# Altium PCB Rear Power Distibution.PcbDoc (part 1 of 3) (continued)
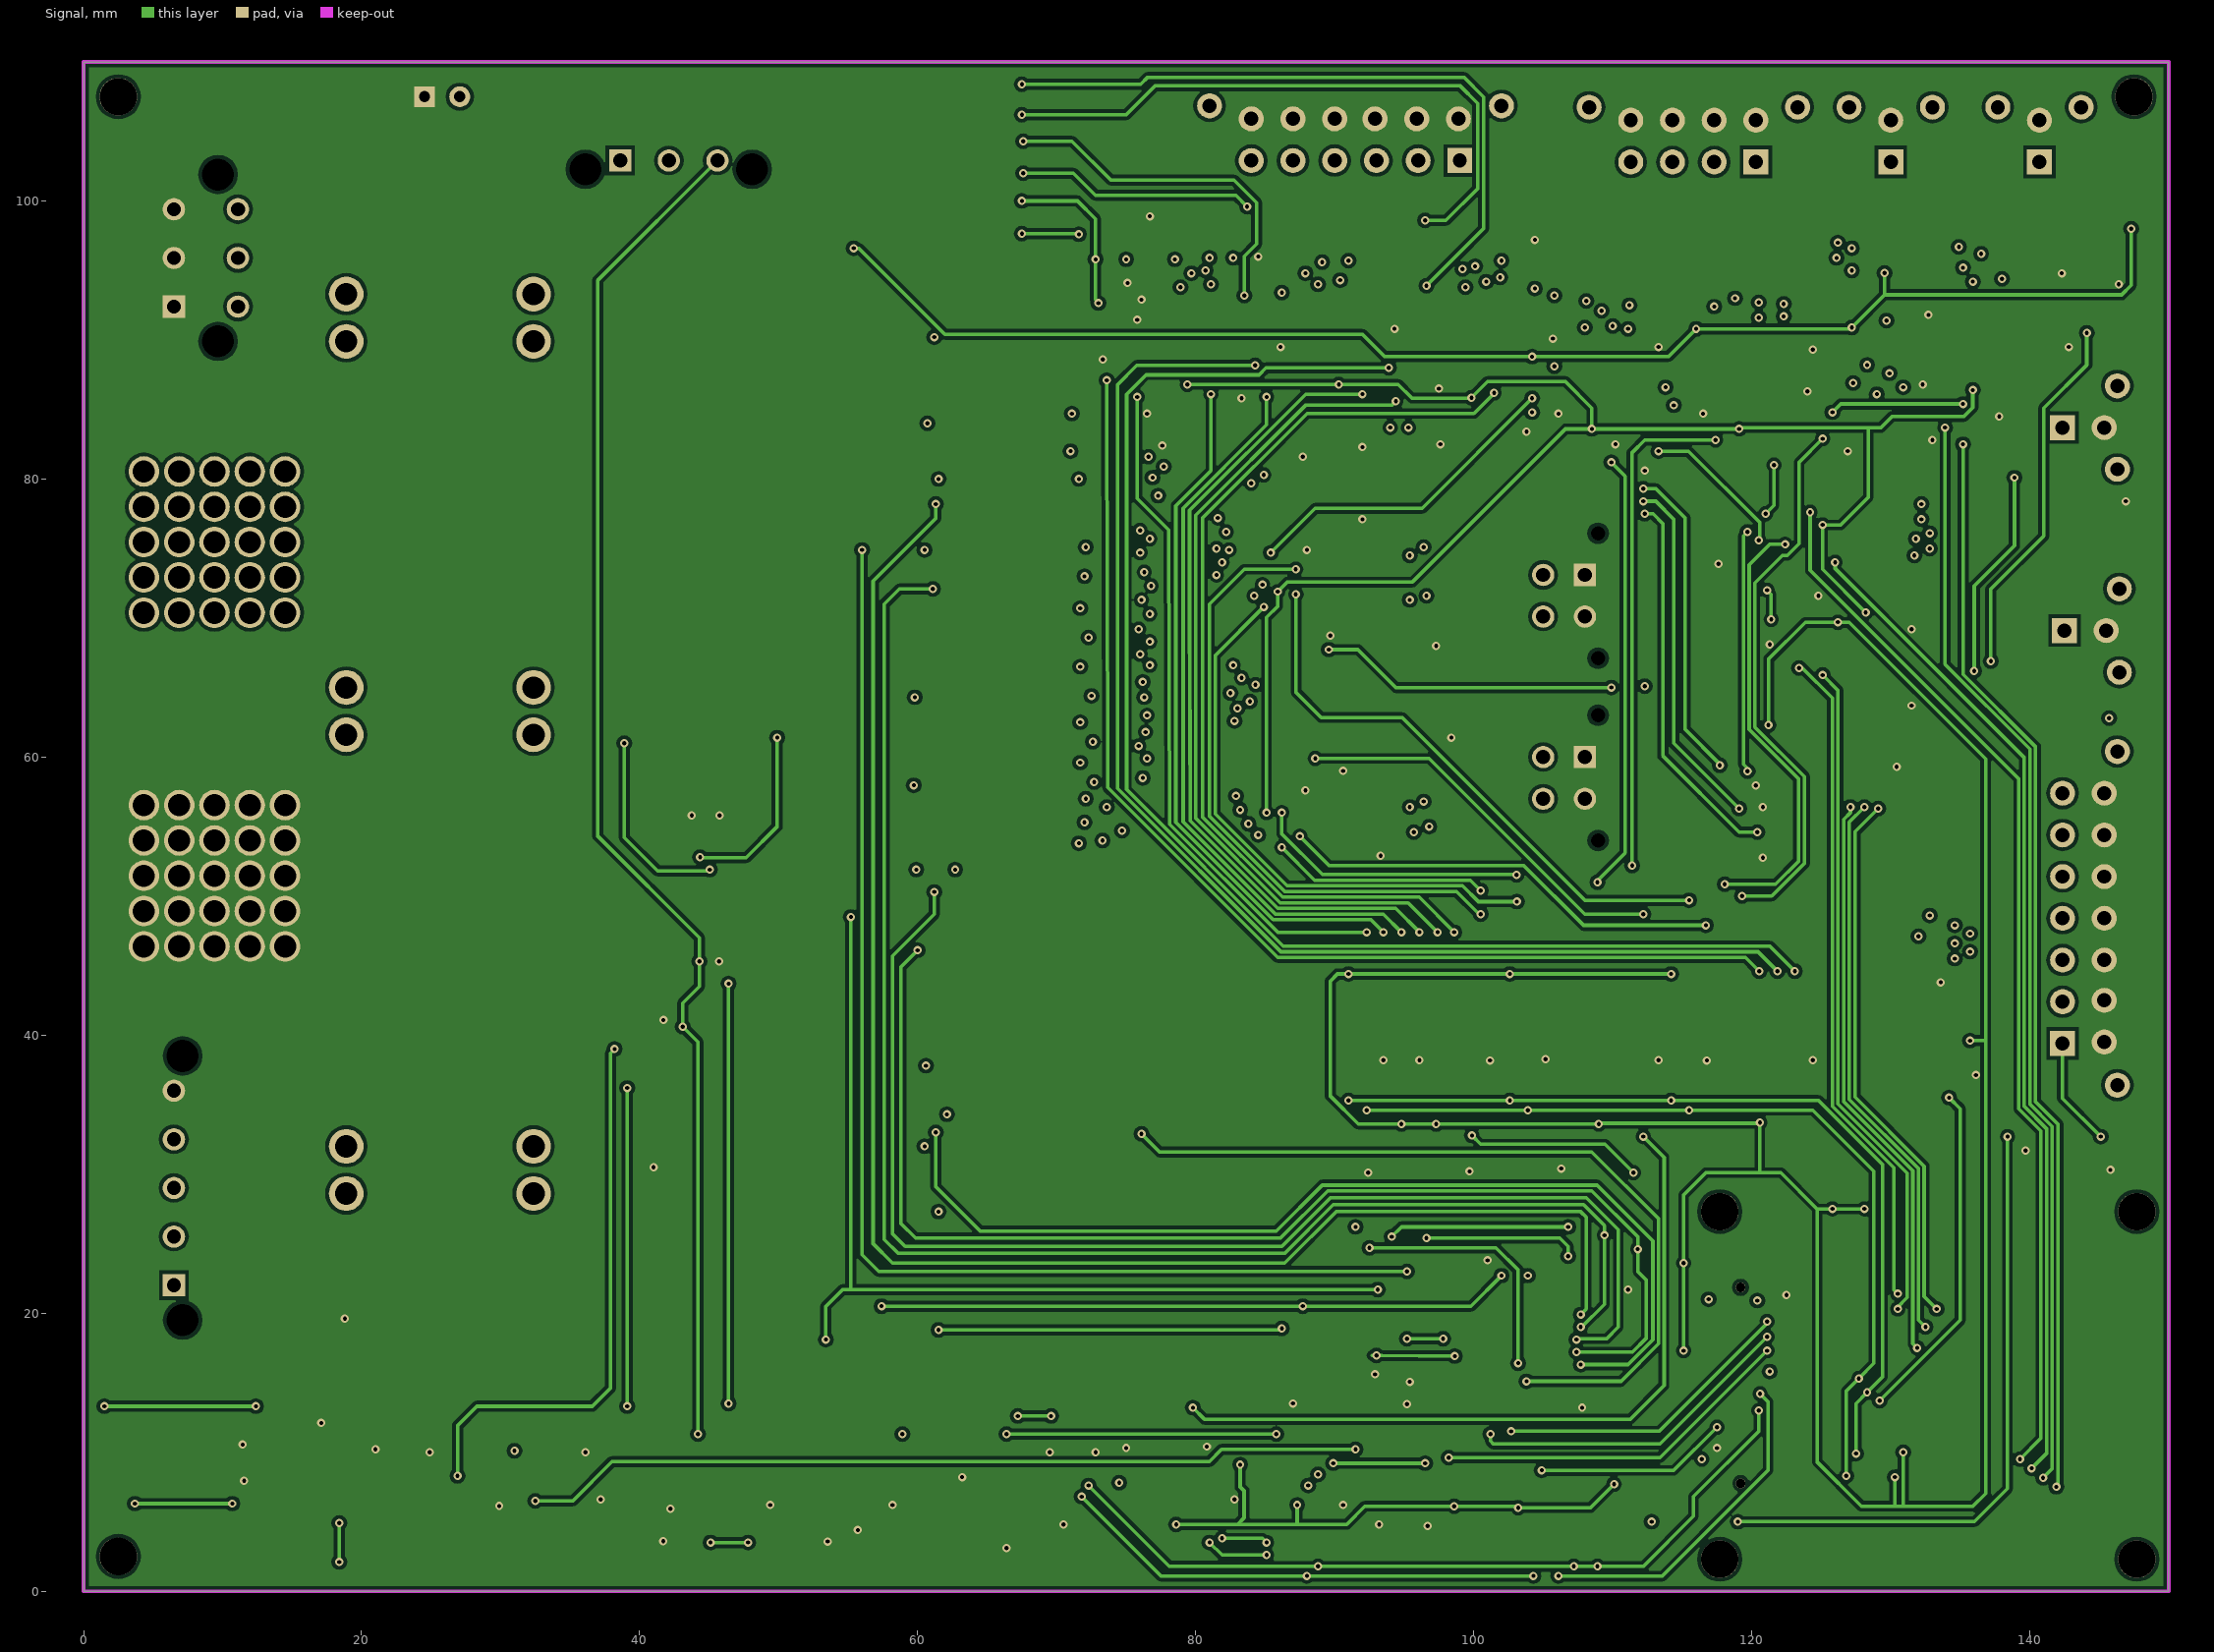
[diagram p3: Signal]
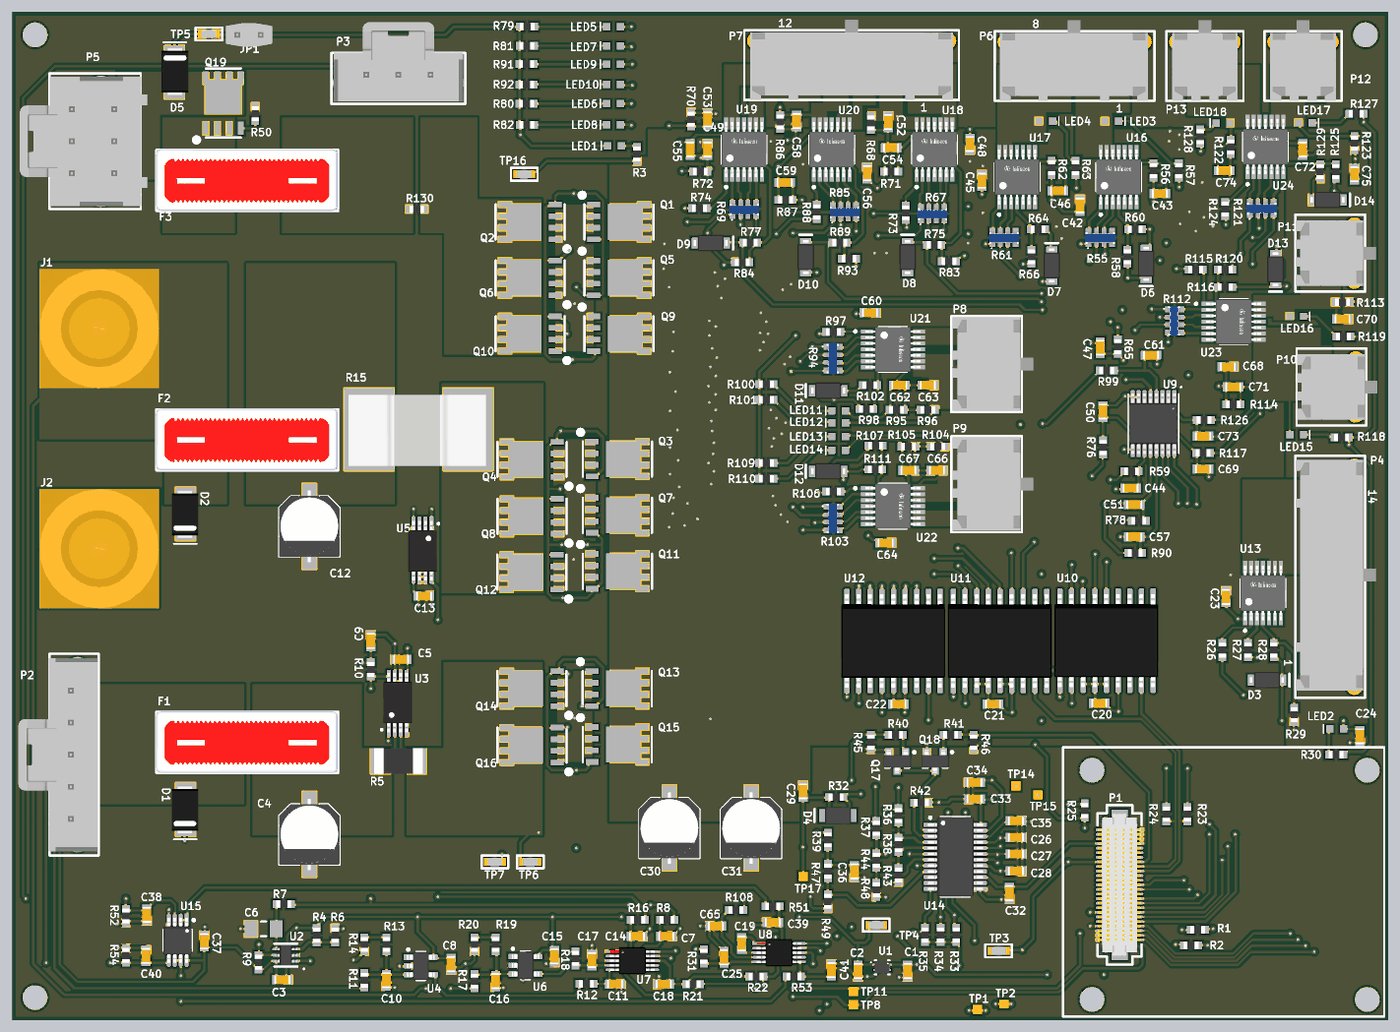
[diagram p6: 3D render of the assembled board from above, using the file's embedded part models]

## Layer stack, top to bottom
Top Solder: solder mask 0.0102, Solder Resist, Dk 3.5
Component Side: signal copper 0.0356
Dielectric 1: core 0.32, FR-4, Dk 4.8
Ground: plane copper 0.035
Dielectric 5: prepreg 0.127, PP-006, Dk 4.2
Signal: signal copper 0.0356
Dielectric 4: core 0.254, Core-009, Dk 4.2
Solder Side: signal copper 0.0356
Bottom Solder: solder mask 0.0102, Solder Resist, Dk 3.5

## Board outline
0,0 150,0 150,110 0,110

## Design rules (kind name [scope] priority, off if disabled: settings)
Clearance [All] p1: gap=0.254 ignorepadtopadclearanceinfootprint=FALSE except(0: Arc-Text Arc-Hole Track-Text Track-Hole SMDPad-Text SMDPad-Hole THPad-Text THPad-Hole Via-Text Via-Hole Fill-Text Fill-Hole Poly-Text Poly-Hole Region-Text Region-Hole Text-Text Text-Hole; 0.152: Arc-Arc Arc-Track Arc-SMDPad Track-Track Track-SMDPad SMDPad-SMDPad)
HoleSize [All] p1: absolutevalues=TRUE maxlimit=3 minlimit=0.025 maxpercent=80.000 minpercent=20.000
MinimumSolderMaskSliver [All] p1: minsoldermaskwidth=0
PlaneClearance [All] p1: clearance=0.508
PlaneConnect "Schematic Power Plane Connect Style" [InNetClass('HighCurrent')] p1: planeconnectstyle=Direct reliefexpansion=0.508 reliefentries=4 reliefconductorwidth=0.254 reliefairgap=0.254
PlaneConnect [All] p2: planeconnectstyle=Relief reliefexpansion=0.508 reliefentries=4 reliefconductorwidth=0.254 reliefairgap=0.254
PolygonConnect "Schematic Polygon Connect Style" [InNetClass('HighCurrent')] p1: connectstyle=Direct reliefconductorwidth=0.254 reliefentries=4 polygonreliefangle="45 Angle" airgapwidth=0.254
PolygonConnect [All] p2: connectstyle=Relief reliefconductorwidth=0.254 reliefentries=4 polygonreliefangle="90 Angle" airgapwidth=0.254
RoutingVias [All] p1: holewidth=0.3 width=0.6 viastyle="Through Hole" minholewidth=0.3 minwidth=0.6 maxholewidth=0.3 maxwidth=0.6
SolderMaskExpansion [All] p1: expansion=0.102
Width [All] p1: maxlimit=0.254 minlimit=0.254 preferedwidth=0.254
26 further rules are at their usual default settings.

## Classes and differential pairs
net class HighCurrent: AUX_BAT_IN AUX_FUSED DCDC_FUSED DCDC_UNFUSED GND NetC4_1 NetC12_1 NetD5_1 NetF3_2 VBAT VS_1 VS_2 VS_3
component class "Power Distribution - Temperature Sense": C37 C38 C39 C40 C41 R51 R52 R53 R54 U15
component class "Power Distribution - Spare Load Switch": C68 C69 C70 C71 C72 C73 C74 C75 D13 D14 LED15 LED16 LED17 LED18 P10 P11 P12 P13 R112 R113 R114 R115 R116 R117 R118 R119 R120 R121 R122 R123 R124 R125 R126 R127 R128 R129 U23 U24
component class "Power Distribution - Solar Sense, Telemetry, Rear Camera, and Charger": C60 C61 C62 C63 C64 C65 C66 C67 D11 D12 LED11 LED12 LED13 LED14 P8 P9 R94 R95 R96 R97 R98 R99 R100 R101 R102 R103 R104 R105 R106 R107 R108 R109 R110 R111 U21 U22
component class "Power Distribution - Rear lights": C48 C49 C50 C51 C52 C53 C54 C55 C56 C57 C58 C59 D8 D9 D10 LED5 LED6 LED7 LED8 LED9 LED10 P7 R67 R68 R69 R70 R71 R72 R73 R74 R75 R76 R77 R78 R79 R80 R81 R82 R83 R84 R85 R86 R87 R88 R89 R90 R91 R92 R93 U18 U19 U20
component class "Power Distribution - Power Supply": D5 F3 P5 Q19 R50 R130
component class "Power Distribution - Power Path": C26 C27 C28 C29 C30 C31 C32 C33 C34 C35 C36 D4 Q1 Q2 Q3 Q4 Q5 Q6 Q7 Q8 Q9 Q10 Q11 Q12 Q13 Q14 Q15 Q16 Q17 Q18 R32 R33 R34 R35 R36 R37 R38 R39 R40 R41 R42 R43 R44 R45 R46 R47 R48 R49 TP14 TP15 TP16 TP17 TP_vbat U14 vg3
component class "Power Distribution - Output to front Power Board": C23 C24 C25 D3 LED2 P4 R26 R27 R28 R29 R30 R31 U13
component class "Power Distribution - Motor Interface and BMS": C42 C43 C44 C45 C46 C47 D6 D7 LED3 LED4 P6 R55 R56 R57 R58 R59 R60 R61 R62 R63 R64 R65 R66 U16 U17
component class "Power Distribution - IO Expander": C20 C21 C22 R23 R24 R25 U10 U11 U12
component class "Power Distribution - External ADC": C18 C19 R21 R22 TP8 TP11 U7 U8 U9
component class "Power Distribution - DC-DC": C12 C13 C14 C15 C16 C17 D2 F2 J1 J2 P3 R15 R16 R17 R18 R19 R20 TP7 U5 U6
component class "Power Distribution - Aux Battery": C3 C4 C5 C6 C7 C8 C9 C10 C11 D1 F1 R4 R5 R6 R7 R8 R9 R10 R11 R12 R13 R14 TP6 U2 U3 U4
component class Controller_Board_Interface: C1 C2 JP1 LED1 P1 R1 R2 R3 TP1 TP2 TP3 TP4 TP5 U1

## Components (designator, comment, footprint, x,y, rotation, side; value= is the part's Value field where it differs from the comment)
C1 "CAP CER 1UF 50V 10% X7R 0603" "CAP, 0603" 97.6,5.4 r270 top
C2 "CAP CER 1UF 50V 10% X7R 0603" "CAP, 0603" 92.2,5.4 r270 top
C3 "CAP CER 0.1UF 50V 10% X7R 0603" "CAP, 0603" 29.45,4.45 r0 top
C4 "47UF" "CAP ALUM 6.3MM RADIAL SMD" 32.4,20.3 r270 top
C5 "CAP CER 0.1UF 50V 10% X7R 0603" "CAP, 0603" 42.4,39.381 r180 top
C6 "CAP CER 47uF 6.3V X5R 1206" "CAP, 1206" 27.4,10 r180 top
C7 "CAP CER 10nF 50V 5% X7R 0603" "CAP, 0603" 71.3,9.2 r0 top
C8 "CAP CER 0.1UF 50V 10% X7R 0603" "CAP, 0603" 47.85,6.15 r270 top
C9 "CAP CER 10nF 50V 5% X7R 0603" "CAP, 0603" 39.1,41.4 r90 top
C10 "CAP CER 10nF 50V 5% X7R 0603" "CAP, 0603" 40.8,4.4 r270 top
C11 "CAP CER 10nF 50V 5% X7R 0603" "CAP, 0603" 65.718,3.984 r0 top
C12 "47UF" "CAP ALUM 6.3MM RADIAL SMD" 32.4,53.9 r270 top
C13 "CAP CER 0.1UF 50V 10% X7R 0603" "CAP, 0603" 44.9,46.3 r0 top
C14 "CAP CER 10nF 50V 5% X7R 0603" "CAP, 0603" 68.1,9.2 r0 top
C15 "CAP CER 0.1UF 50V 10% X7R 0603" "CAP, 0603" 59.109,7 r270 top
C16 "CAP CER 10nF 50V 5% X7R 0603" "CAP, 0603" 52.7,4.3 r270 top
C17 "CAP CER 10nF 50V 5% X7R 0603" "CAP, 0603" 63.2,6.6 r90 top
C18 "CAP CER 0.1UF 50V 10% X7R 0603" "CAP, 0603" 71.027,3.973 r180 top
C19 "CAP CER 0.1UF 50V 10% X7R 0603" "CAP, 0603" 79.504,8.4 r270 top
C20 "CAP CER 0.1UF 50V 10% X7R 0603" "CAP, 0603" 118.5,34.6 r180 top
C21 "CAP CER 0.1UF 50V 10% X7R 0603" "CAP, 0603" 106.9,34.5 r180 top
C22 "CAP CER 0.1UF 50V 10% X7R 0603" "CAP, 0603" 96.6,34.5 r180 top
C23 "CAP CER 0.1UF 50V 10% X7R 0603" "CAP, 0603" 132.3,46.2 r270 top
C24 "CAP CER 22uF 25V 20% X5R 0603" "CAP, 0603" 146.9,31 r270 top
C25 "CAP CER 220PF 50V C0G/NP0 0603" "CAP, 0603" 77.6,6.9 r90 top
C26 "CAP CER 0.1UF 50V 10% X7R 0603" "CAP, 0603" 109.4,19.975 r0 top
C27 "CAP CER 0.1UF 50V 10% X7R 0603" "CAP, 0603" 109.4,18.17 r0 top
C28 "68nF" "CAP, 0603" 109.4,16.304 r0 top
C29 "CAP CER 6800pF 50V 10% X7R 0603" "CAP, 0603" 86.2,25 r270 top
C30 "100UF" "CAP ALUM 6.3MM RADIAL SMD" 71.642,21 r270 top
C31 "100UF" "CAP ALUM 6.3MM RADIAL SMD" 80.546,21 r270 top
C32 "CAP CER 0.1UF 50V 10% X7R 0603" "CAP, 0603" 108.7,13.9 r270 top
C33 "CAP CER 0.1UF 50V 10% X7R 0603" "CAP, 0603" 104.9,24.157 r180 top
C34 "CAP CER 0.1UF 50V 10% X7R 0603" "CAP, 0603" 104.9,25.962 r180 top
C35 "CAP CER 0.1UF 50V 10% X7R 0603" "CAP, 0603" 109.4,21.779 r0 top
C36 "CAP CER 0.022UF 50V 10% X7R 0603" "CAP, 0603" 91.8,16.262 r270 top
C37 "CAP CER 0.1UF 50V 10% X7R 0603" "CAP, 0603" 20.95,8.65 r90 top
C38 "CAP CER 10nF 50V 5% X7R 0603" "CAP, 0603" 14.675,11.525 r270 top
C39 "CAP CER 10nF 50V 5% X7R 0603" "CAP, 0603" 82.9,10.7 r180 top
C40 "CAP CER 10nF 50V 5% X7R 0603" "CAP, 0603" 14.604,7.05 r90 top
C41 "CAP CER 10nF 50V 5% X7R 0603" "CAP, 0603" 89.3,5.5 r90 top
C42 "CAP CER 0.1UF 50V 10% X7R 0603" "CAP, 0603" 116.4,88.9 r270 top
C43 "CAP CER 10nF 50V 5% X7R 0603" "CAP, 0603" 125.1,90.196 r180 top
C44 "CAP CER 220PF 50V C0G/NP0 0603" "CAP, 0603" 121.9,58.067 r180 top
C45 "CAP CER 0.1UF 50V 10% X7R 0603" "CAP, 0603" 105.7,91.6 r270 top
C46 "CAP CER 10nF 50V 5% X7R 0603" "CAP, 0603" 113.996,90.496 r180 top
C47 "CAP CER 220PF 50V C0G/NP0 0603" "CAP, 0603" 118.6,73.4 r90 top
C48 "CAP CER 0.1UF 50V 10% X7R 0603" "CAP, 0603" 104.4,95.6 r90 top
C49 "CAP CER 0.1UF 50V 10% X7R 0603" "CAP, 0603" 75.8,95 r270 top
C50 "CAP CER 220PF 50V C0G/NP0 0603" "CAP, 0603" 118.9,66.425 r90 top
C51 "CAP CER 220PF 50V C0G/NP0 0603" "CAP, 0603" 122.3,56.263 r180 top
C52 "CAP CER 10nF 50V 5% X7R 0603" "CAP, 0603" 95.5,98 r270 top
C53 "CAP CER 10nF 50V 5% X7R 0603" "CAP, 0603" 75.8,98.3 r90 top
C54 "CAP CER 10nF 50V 5% X7R 0603" "CAP, 0603" 95.8,95.2 r180 top
C55 "CAP CER 10nF 50V 5% X7R 0603" "CAP, 0603" 73.9,95 r270 top
C56 "CAP CER 0.1UF 50V 10% X7R 0603" "CAP, 0603" 93.196,92.425 r270 top
C57 "CAP CER 220PF 50V C0G/NP0 0603" "CAP, 0603" 122.3,52.754 r180 top
C58 "CAP CER 10nF 50V 5% X7R 0603" "CAP, 0603" 85.5,98.1 r270 top
C59 "CAP CER 10nF 50V 5% X7R 0603" "CAP, 0603" 84.2,91.4 r0 top
C60 "CAP CER 0.1UF 50V 10% X7R 0603" "CAP, 0603" 93.5,77.2 r180 top
C61 "CAP CER 220PF 50V C0G/NP0 0603" "CAP, 0603" 124.138,72.562 r0 top
C62 "CAP CER 10nF 50V 5% X7R 0603" "CAP, 0603" 96.7,69.3 r0 top
C63 "CAP CER 10nF 50V 5% X7R 0603" "CAP, 0603" 99.8,69.3 r180 top
C64 "CAP CER 0.1UF 50V 10% X7R 0603" "CAP, 0603" 95.2,52.1 r180 top
C65 "CAP CER 220PF 50V C0G/NP0 0603" "CAP, 0603" 76.7,10.3 r180 top
C66 "CAP CER 10nF 50V 5% X7R 0603" "CAP, 0603" 100.8,60 r180 top
C67 "CAP CER 10nF 50V 5% X7R 0603" "CAP, 0603" 97.7,60 r0 top
C68 "CAP CER 0.1UF 50V 10% X7R 0603" "CAP, 0603" 132.5,71.3 r180 top
C69 "CAP CER 220PF 50V C0G/NP0 0603" "CAP, 0603" 129.8,60.146 r0 top
C70 "CAP CER 10nF 50V 5% X7R 0603" "CAP, 0603" 145,76.5 r0 top
C71 "CAP CER 10nF 50V 5% X7R 0603" "CAP, 0603" 133.1,69.1 r180 top
C72 "CAP CER 0.1UF 50V 10% X7R 0603" "CAP, 0603" 140.662,95 r270 top
C73 "CAP CER 220PF 50V C0G/NP0 0603" "CAP, 0603" 129.8,63.741 r0 top
C74 "CAP CER 10nF 50V 5% X7R 0603" "CAP, 0603" 132.125,92.695 r0 top
C75 "CAP CER 10nF 50V 5% X7R 0603" "CAP, 0603" 146.3,92.3 r90 top
D1 "DIODE TVS 15VWM 24.4VC DO-214AA (SMB)" "DO-214AA Diode" 18.9,25.064 r270 top
D2 "DIODE TVS 15VWM 24.4VC DO-214AA (SMB)" "DO-214AA Diode" 18.9,57.3 r270 top
D3 "6.8V" "DIODE SOD123" 138.411,37.127 r180 top
D4 "DIODE SCHOTTKY 30V 1A POWERDI123" "DIODE SCHOTTKY 30V 1A POWERDI123" 91.6,22.362 r180 top
D5 "DIODE TVS 15VWM 24.4VC DO-214AA (SMB)" "DO-214AA Diode" 17.7,101.4 r90 top
D6 "6.8V" "DIODE SOD123" 123.6,80.9 r90 top
D7 "6.8V" "DIODE SOD123" 113.3,83.994 r270 top
D8 "6.8V" "DIODE SOD123" 97.6,84.9 r270 top
D9 "6.8V" "DIODE SOD123" 77.789,84.8 r180 top
D10 "6.8V" "DIODE SOD123" 86.5,84.9 r270 top
D11 "6.8V" "DIODE SOD123" 87.3,68.7 r0 top
D12 "6.8V" "DIODE SOD123" 87.3,59.9 r0 top
D13 "6.8V" "DIODE SOD123" 137.7,80.3 r90 top
D14 "6.8V" "DIODE SOD123" 145,89.5 r180 top
F1 "?A" "FUSE ATO/ATC FUSE HOLDER" 18.9,32 r0 top
F2 "?A" "FUSE ATO/ATC FUSE HOLDER" 18.9,65.001 r0 top
F3 "?A" "FUSE ATO/ATC FUSE HOLDER" 18.9,93.3 r0 top
J1 "TERM PWR ELEMENT M8 25 PIN PCB" "TERM PWR ELEMENT M8 25 PIN PCB" 14.5,78 r0 top
J2 "TERM PWR ELEMENT M8 25 PIN PCB" "TERM PWR ELEMENT M8 25 PIN PCB" 14.5,54 r0 top
JP1 "JUMPER" "CONN, 2POS JUMPER 0.1\"" 24.523,107.5 r0 top
LED1 "LED GREEN CLEAR 2V 0603" LED_0603 66.35,95.41 r180 top
LED2 "LED GREEN CLEAR 2V 0603" LED_0603 145.05,31.81 r180 top
LED3 "LED YELLOW CLEAR 2.1V 0603" LED_0603 119.15,98.09 r0 top
LED4 "LED GREEN CLEAR 2V 0603" LED_0603 111.95,98.09 r0 top
LED5 "LED YELLOW CLEAR 2.1V 0603" LED_0603 66.25,108.41 r180 top
LED6 "LED YELLOW CLEAR 2.1V 0603" LED_0603 66.25,100.01 r180 top
LED7 "LED YELLOW CLEAR 2.1V 0603" LED_0603 66.25,106.31 r180 top
LED8 "LED YELLOW CLEAR 2.1V 0603" LED_0603 66.25,97.71 r180 top
LED9 "LED GREEN CLEAR 2V 0603" LED_0603 66.25,104.31 r180 top
LED10 "LED GREEN CLEAR 2V 0603" LED_0603 66.25,102.1 r180 top
LED11 "LED YELLOW CLEAR 2.1V 0603" LED_0603 90.8,66.5 r180 top
LED12 "LED YELLOW CLEAR 2.1V 0603" LED_0603 90.8,65.185 r180 top
LED13 "LED YELLOW CLEAR 2.1V 0603" LED_0603 90.8,63.7 r180 top
LED14 "LED YELLOW CLEAR 2.1V 0603" LED_0603 90.8,62.185 r180 top
LED15 "LED YELLOW CLEAR 2.1V 0603" LED_0603 139.3,63.89 r0 top
LED16 "LED YELLOW CLEAR 2.1V 0603" LED_0603 139.3,76.8 r0 top
LED17 "LED YELLOW CLEAR 2.1V 0603" LED_0603 140.25,97.9 r0 top
LED18 "LED YELLOW CLEAR 2.1V 0603" LED_0603 132.7,97.9 r180 top
P1 "CONN 50POS Bergstak Plug 0.02\"" "CONN, Bergstak 50 Pos Plug" 120.7,14.8 r0 top
P2 "CONN 5POS ULTRA-FIT 0.138\"" "CONN, 5POS ULTRA-FIT" 6.5,22 r90 top
P3 "CONN 3POS ULTRA-FIT 0.138\"" "CONN, 3POS ULTRA-FIT" 38.6,102.904 r0 top
P4 "CONN 14POS MICRO-FIT 3mm" "CONN, 14POS MICRO-FIT 3mm" 142.36,39.4 r270 top
P5 "CONN 6POS ULTRA-FIT 0.138\"" "CONN, 6POS ULTRA-FIT" 6.5,92.4 r90 top
P6 "CONN 8POS MICRO-FIT 3mm" "CONN, 8POS MICRO-FIT" 120.3,102.804 r0 top
P7 "CONN 12POS MICRO-FIT 3mm" "CONN, 12POS MICRO-FIT 3mm" 99,102.904 r0 top
P8 "CONN 4POS MICRO-FIT 3mm" "CONN 4POS MICROFIT (2x2)" 105,70.1 r270 top
P9 "CONN 4POS MICRO-FIT 3mm" "CONN 4POS MICROFIT (2x2)" 105,57 r270 top
P10 "CONN 2POS MICRO-FIT 3mm" "CONN, 2POS MICRO-FIT" 142.5,69.1 r270 top
P11 "CONN 2POS MICRO-FIT 3mm" "CONN, 2POS MICRO-FIT" 142.36,83.7 r270 top
P12 "CONN 2POS MICRO-FIT 3mm" "CONN, 2POS MICRO-FIT" 140.7,102.804 r0 top
P13 "CONN 2POS MICRO-FIT 3mm" "CONN, 2POS MICRO-FIT" 130,102.804 r0 top
Q1 "MOSFET P-CH PWR56 40V 4.9 MOHM" "PMOS PWR56 40V 4.9 MOHM" 63.395,89.005 r0 top
Q2 "MOSFET P-CH PWR56 40V 4.9 MOHM" "PMOS PWR56 40V 4.9 MOHM" 59.205,85.195 r180 top
Q3 "MOSFET P-CH PWR56 40V 4.9 MOHM" "PMOS PWR56 40V 4.9 MOHM" 63.222,63.14 r0 top
Q4 "MOSFET P-CH PWR56 40V 4.9 MOHM" "PMOS PWR56 40V 4.9 MOHM" 59.42,59.295 r180 top
Q5 "MOSFET P-CH PWR56 40V 4.9 MOHM" "PMOS PWR56 40V 4.9 MOHM" 63.395,82.905 r0 top
Q6 "MOSFET P-CH PWR56 40V 4.9 MOHM" "PMOS PWR56 40V 4.9 MOHM" 59.205,79.095 r180 top
Q7 "MOSFET P-CH PWR56 40V 4.9 MOHM" "PMOS PWR56 40V 4.9 MOHM" 63.222,57.005 r0 top
Q8 "MOSFET P-CH PWR56 40V 4.9 MOHM" "PMOS PWR56 40V 4.9 MOHM" 59.42,53.087 r180 top
Q9 "MOSFET P-CH PWR56 40V 4.9 MOHM" "PMOS PWR56 40V 4.9 MOHM" 63.395,76.805 r0 top
Q10 "MOSFET P-CH PWR56 40V 4.9 MOHM" "PMOS PWR56 40V 4.9 MOHM" 59.205,73.003 r180 top
Q11 "MOSFET P-CH PWR56 40V 4.9 MOHM" "PMOS PWR56 40V 4.9 MOHM" 63.222,50.905 r0 top
Q12 "MOSFET P-CH PWR56 40V 4.9 MOHM" "PMOS PWR56 40V 4.9 MOHM" 59.393,46.995 r180 top
Q13 "MOSFET P-CH PWR56 40V 4.9 MOHM" "PMOS PWR56 40V 4.9 MOHM" 63.207,38.113 r0 top
Q14 "MOSFET P-CH PWR56 40V 4.9 MOHM" "PMOS PWR56 40V 4.9 MOHM" 59.405,34.295 r180 top
Q15 "MOSFET P-CH PWR56 40V 4.9 MOHM" "PMOS PWR56 40V 4.9 MOHM" 63.215,32.013 r0 top
Q16 "MOSFET P-CH PWR56 40V 4.9 MOHM" "PMOS PWR56 40V 4.9 MOHM" 59.412,28.138 r180 top
Q17 "MOSFET N-CH 30V 6.2A 0.9W SOT-23" "MOSFET N-CH 30V 6.2A 0.9W SOT-23" 96.471,28.262 r270 top
Q18 "MOSFET N-CH 30V 6.2A 0.9W SOT-23" "MOSFET N-CH 30V 6.2A 0.9W SOT-23" 100.6,28.262 r270 top
Q19 "MOSFET P-CH PWR56 40V 4.9 MOHM" "PMOS PWR56 40V 4.9 MOHM" 21.115,97.32 r90 top
R1 "RES 4.7K OHM 1% 1/10W 0603" "RES, 0603" 129.225,9.904 r180 top
R2 "RES 4.7K OHM 1% 1/10W 0603" "RES, 0603" 128.5,8.2 r180 top
R3 "RES 4.7K OHM 1% 1/10W 0603" "RES, 0603" 68.1,94.5 r90 top
R4 "RES 10K OHM 1% 1/10W 0603" "RES, 0603" 33.2,9.3 r270 top
R5 "RES 0.003 OHM 1% 1.5W 2010" "RES 2010" 42.1,28.3 r0 top
R6 "RES 11.8K OHM 1% 1/10W 0603" "RES, 0603" 35.2,9.3 r90 top
R7 "1K" "RES, 0603" 29.6,12.7 r180 top
R8 "RES 100 OHM 1% 1/10W 0603" "RES, 0603" 71.4,11 r180 top
R9 "RES 0.0 OHM 1/4W 0603" "RES, 0603" 26.85,6.35 r90 top
R10 "RES 100 OHM 1% 1/10W 0603" "RES, 0603" 39.101,38.296 r90 top
R11 "RES 470K OHM 1% 1/4W 0603" "RES, 0603" 38.4,4.4 r90 top
R12 "RES 100 OHM 1% 1/10W 0603" "RES, 0603" 62.6,4 r0 top
R13 "RES 100K OHM 5% 1/8W 0603" "RES, 0603" 40.8,8.3 r90 top
R14 "RES 10K OHM 1% 1/10W 0603" "RES, 0603" 38.4,8.3 r270 top
R15 "RES 0.004 OHM 1% 7W 5931" "RES 5931" 38.906,64.481 r0 top
R16 "RES 100 OHM 1% 1/10W 0603" "RES, 0603" 68.196,11 r180 top
R17 "RES 470K OHM 1% 1/4W 0603" "RES, 0603" 50.4,4.3 r90 top
R18 "RES 100 OHM 1% 1/10W 0603" "RES, 0603" 61.4,6.775 r270 top
R19 "RES 100K OHM 5% 1/8W 0603" "RES, 0603" 52.7,8.3 r90 top
R20 "RES 10K OHM 1% 1/10W 0603" "RES, 0603" 50.4,8.3 r270 top
R21 "RES 4.7K OHM 1% 1/10W 0603" "RES, 0603" 74.227,3.973 r0 top
R22 "RES 4.7K OHM 1% 1/10W 0603" "RES, 0603" 81.1,4.8 r0 top
R23 "RES 4.7K OHM 1% 1/10W 0603" "RES, 0603" 128.1,22.5 r270 top
R24 "RES 4.7K OHM 1% 1/10W 0603" "RES, 0603" 125.8,22.5 r270 top
R25 "RES 4.7K OHM 1% 1/10W 0603" "RES, 0603" 116.9,22.9 r270 top
R26 "RES SMD 15K OHM 1% 1/10W 0603" "RES, 0603" 131.9,40.4 r90 top
R27 "RES SMD 15K OHM 1% 1/10W 0603" "RES, 0603" 134.7,40.4 r90 top
R28 "RES 4.7K OHM 1% 1/10W 0603" "RES, 0603" 137.5,40.4 r270 top
R29 "RES 1.21K OHM 1% 1/10W 0603" "RES, 0603" 139.731,33.344 r270 top
R30 "RES 10K OHM 1% 1/10W 0603" "RES, 0603" 144.3,29 r0 top
R31 "RES 4.7K OHM 1% 1/10W 0603" "RES, 0603" 75.4,7 r90 top
R32 "2.21K" "RES, 0603" 89.8,24.362 r0 top
R33 "RES 10K OHM 1% 1/10W 0603" "RES, 0603" 102.9,9.337 r90 top
R34 "RES 10K OHM 1% 1/10W 0603" "RES, 0603" 101.196,9.337 r90 top
R35 "RES 10K OHM 1% 1/10W 0603" "RES, 0603" 99.491,9.337 r90 top
R36 "RES 1M OHM 1% 1/10W 0603" "RES, 0603" 96.6,22.362 r270 top
R37 "RES 1M OHM 1% 1/10W 0603" "RES, 0603" 94.2,20.97 r270 top
R38 "RES SMD 11.3KOHM 0.1% 1/10W 0603" "RES, 0603" 96.6,19.157 r270 top value=11.3K
R39 "RES 1M OHM 1% 1/10W 0603" "RES, 0603" 88.9,19.7 r270 top
R40 "RES 100 OHM 1% 1/10W 0603" "RES, 0603" 96.3,31.162 r180 top
R41 "RES 100 OHM 1% 1/10W 0603" "RES, 0603" 102.296,31.162 r0 top
R42 "RES 255K OHM 1% 1/10W 0603" "RES, 0603" 99.1,23.762 r0 top
R43 "RES SMD 75K OHM 0.1% 1/10W 0603" "RES, 0603" 96.6,15.862 r270 top value=75KR
R44 "RES SMD 11.3KOHM 0.1% 1/10W 0603" "RES, 0603" 94.2,17.462 r270 top value=11.3K
R45 "RES 10K OHM 1% 1/10W 0603" "RES, 0603" 93.6,30.362 r270 top
R46 "RES 10K OHM 1% 1/10W 0603" "RES, 0603" 104.8,30.362 r270 top
R47 "RES SMD 48.7KOHM 0.1% 1/10W 0603" "RES, 0603" 88.9,16.3 r270 top value="48.7 K"
R48 "RES SMD 75K OHM 0.1% 1/10W 0603" "RES, 0603" 94.2,14.257 r270 top value=75KR
R49 "RES SMD 48.7KOHM 0.1% 1/10W 0603" "RES, 0603" 88.9,13 r270 top value="48.7 K"
R50 "RES 10K OHM 1% 1/10W 0603" "RES, 0603" 26.5,98.9 r90 top
R51 "RES 100 OHM 1% 1/10W 0603" "RES, 0603" 82.9,12.454 r0 top
R52 "RES 10K OHM 1% 1/10W 0603" "RES, 0603" 12.4,11.4 r270 top
R53 "RES 100 OHM 1% 1/10W 0603" "RES, 0603" 85.2,4.8 r0 top
R54 "RES 10K OHM 1% 1/10W 0603" "RES, 0603" 12.4,7.1 r90 top
R55 "RES ARRAY 4 RES 4.7K OHM 1206" "RES ARRAY 4RES 1206" 118.6,85.4 r90 top
R56 "RES 47K OHM 1% 1/10W 0603" "RES, 0603" 124.4,92.704 r270 top
R57 "RES 10K OHM 1% 1/10W 0603" "RES, 0603" 127.163,92.7 r270 top